# Altium PCB waffling80-MXHS.PcbDoc (part 1 of 4) (continued)
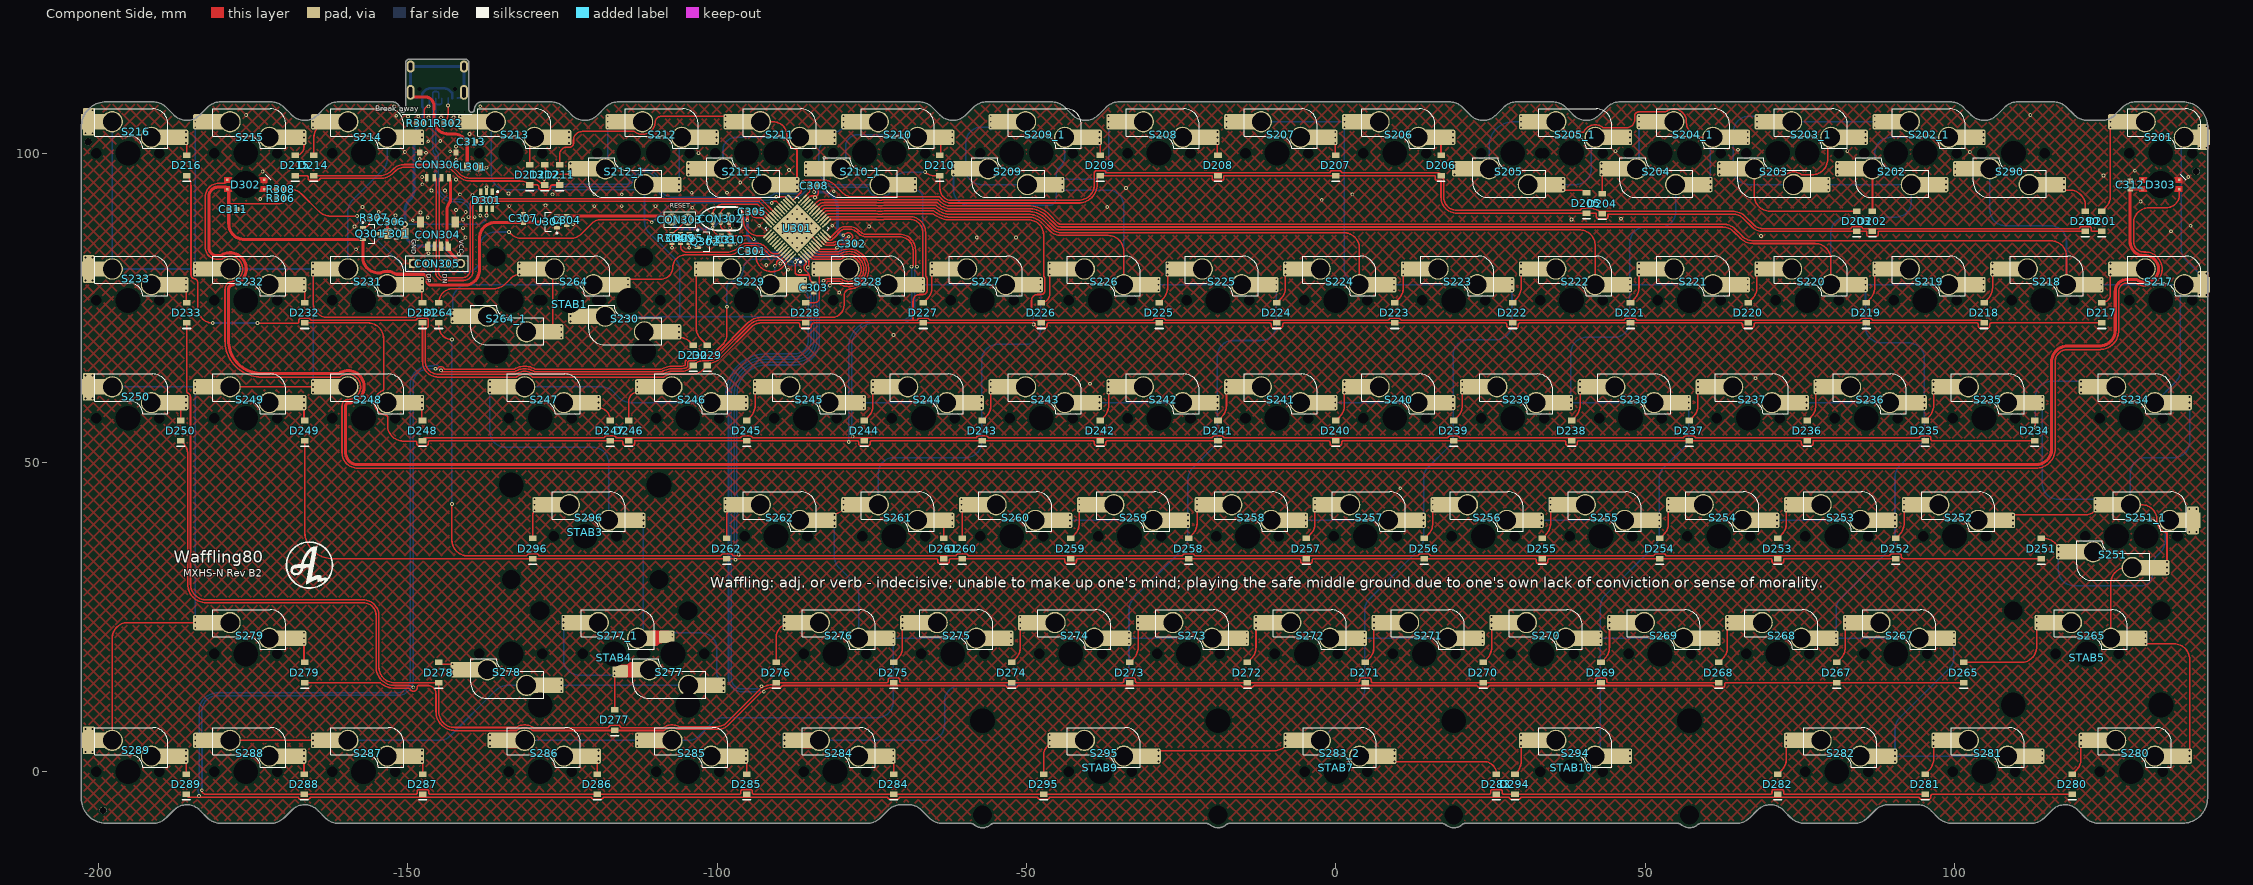
[diagram p0: Component Side view]
## Components (designator, comment, footprint, x,y, rotation, side; value= is the part's Value field where it differs from the comment) (continued)
S215 "MX" "MXHS-switch - 1U Top layer - AS2"#3 -176.213,100.012 r180 top
S216 "MX" "MXHS-switch - 1U Top layer - AS2 - S4"#1 -195.262,100.012 r180 top
S217 "MX" "MXHS-SWITCH - 1U TOP LAYER - AS2 - S3"#2 133.35,76.199 r180 top
S218 "MX" "MXHS-switch - 1U Top layer - switched pol AS2"#2 114.3,76.199 r180 top locked
S219 "MX" "MXHS-switch - 1U Top layer - switched pol AS2"#2 95.25,76.199 r180 top locked
S220 "MX" "MXHS-switch - 1U Top layer - switched pol AS2"#2 76.2,76.199 r180 top locked
S221 "MX" "MXHS-switch - 1U Top layer - switched pol AS2"#2 57.15,76.199 r180 top locked
S222 "MX" "MXHS-switch - 1U Top layer - switched pol AS2"#2 38.1,76.199 r180 top locked
S223 "MX" "MXHS-switch - 1U Top layer - switched pol AS2"#2 19.05,76.199 r180 top locked
S224 "MX" "MXHS-switch - 1U Top layer - switched pol AS2"#2 0,76.199 r180 top locked
S225 "MX" "MXHS-switch - 1U Top layer - switched pol AS2"#2 -19.05,76.199 r180 top locked
S226 "MX" "MXHS-switch - 1U Top layer - switched pol AS2"#2 -38.1,76.199 r180 top locked
S227 "MX" "MXHS-switch - 1U Top layer - switched pol AS2"#2 -57.15,76.199 r180 top locked
S228 "MX" "MXHS-switch - 1U Top layer - switched pol AS2"#2 -76.2,76.199 r180 top locked
S229 "MX" "MXHS-switch - 1U Top layer - switched pol AS2"#2 -95.25,76.199 r180 top locked
S230 "MX" "MXHS-switch - 1U Top layer - switched pol AS2"#2 -114.3,76.199 r0 top locked
S231 "MX" "MXHS-switch - 1U Top layer - AS2"#2 -157.162,76.199 r180 top locked
S232 "MX" "MXHS-switch - 1U Top layer - AS2"#2 -176.213,76.199 r180 top locked
S233 "MX" "MXHS-switch - 1U Top layer - AS2 - S4"#2 -195.262,76.199 r180 top
S234 "MX" "MXHS-switch - 1U Top layer - switched pol AS2"#2 128.587,57.149 r180 top locked
S235 "MX" "MXHS-switch - 1U Top layer - switched pol AS2"#2 104.775,57.149 r180 top locked
S236 "MX" "MXHS-switch - 1U Top layer - switched pol AS2"#2 85.725,57.149 r180 top locked
S237 "MX" "MXHS-switch - 1U Top layer - switched pol AS2"#2 66.675,57.149 r180 top locked
S238 "MX" "MXHS-switch - 1U Top layer - switched pol AS2"#2 47.625,57.149 r180 top locked
S239 "MX" "MXHS-switch - 1U Top layer - switched pol AS2"#2 28.575,57.149 r180 top locked
S240 "MX" "MXHS-switch - 1U Top layer - switched pol AS2"#2 9.525,57.149 r180 top locked
S241 "MX" "MXHS-switch - 1U Top layer - switched pol AS2"#2 -9.525,57.149 r180 top locked
S242 "MX" "MXHS-switch - 1U Top layer - switched pol AS2"#2 -28.575,57.149 r180 top locked
S243 "MX" "MXHS-switch - 1U Top layer - switched pol AS2"#2 -47.625,57.149 r180 top
S244 "MX" "MXHS-switch - 1U Top layer - switched pol AS2"#2 -66.675,57.149 r180 top locked
S245 "MX" "MXHS-switch - 1U Top layer - switched pol AS2"#2 -85.725,57.149 r180 top locked
S246 "MX" "MXHS-switch - 1U Top layer - switched pol AS2"#2 -104.775,57.149 r180 top locked
S247 "MX" "MXHS-switch - 1U Top layer - AS2"#2 -128.588,57.149 r180 top locked
S248 "MX" "MXHS-switch - 1U Top layer - AS2"#2 -157.162,57.149 r180 top locked
S249 "MX" "MXHS-switch - 1U Top layer - AS2"#2 -176.213,57.149 r180 top locked
S250 "MX" "MXHS-switch - 1U Top layer - AS2 - S4"#2 -195.262,57.149 r180 top
S251 "MX" "MXHS-switch - 1U Top layer - switched pol AS2"#1 126.206,38.099 r0 top locked
S251_1 "MX" "MXHS-switch - 1U Top layer - AS2 - S1" 130.969,38.099 r180 top locked
S252 "MX" "MXHS-switch - 1U Top layer - switched pol AS2"#2 100.013,38.099 r180 top locked
S253 "MX" "MXHS-switch - 1U Top layer - switched pol AS2"#2 80.962,38.099 r180 top locked
S254 "MX" "MXHS-switch - 1U Top layer - switched pol AS2"#2 61.912,38.099 r180 top locked
S255 "MX" "MXHS-switch - 1U Top layer - switched pol AS2"#2 42.862,38.099 r180 top locked
S256 "MX" "MXHS-switch - 1U Top layer - switched pol AS2"#2 23.812,38.099 r180 top locked
S257 "MX" "MXHS-switch - 1U Top layer - switched pol AS2"#2 4.763,38.099 r180 top locked
S258 "MX" "MXHS-switch - 1U Top layer - switched pol AS2"#2 -14.287,38.099 r180 top locked
S259 "MX" "MXHS-switch - 1U Top layer - switched pol AS2"#2 -33.337,38.099 r180 top locked
S260 "MX" "MXHS-switch - 1U Top layer - switched pol AS2"#2 -52.387,38.099 r180 top locked
S261 "MX" "MXHS-switch - 1U Top layer - AS2"#2 -71.438,38.099 r180 top locked
S262 "MX" "MXHS-switch - 1U Top layer - switched pol AS2"#2 -90.487,38.099 r180 top locked
S264 "MX" "MXHS-switch - 1U Top layer - switched pol AS2"#2 -123.825,76.199 r180 top locked
S264_1 "MX" "MXHS-switch - 1U Top layer - switched pol AS2"#2 -133.35,76.199 r0 top locked
S265 "MX" "MXHS-switch - 1U Top layer - AS2"#2 121.444,19.049 r180 top
S267 "MX" "MXHS-switch - 1U Top layer - switched pol AS2"#2 90.487,19.049 r180 top locked
S268 "MX" "MXHS-switch - 1U Top layer - switched pol AS2"#2 71.438,19.049 r180 top locked
S269 "MX" "MXHS-switch - 1U Top layer - switched pol AS2"#2 52.387,19.049 r180 top locked
S270 "MX" "MXHS-switch - 1U Top layer - switched pol AS2"#2 33.337,19.049 r180 top locked
S271 "MX" "MXHS-switch - 1U Top layer - switched pol AS2"#2 14.287,19.049 r180 top locked
S272 "MX" "MXHS-switch - 1U Top layer - switched pol AS2"#2 -4.763,19.049 r180 top locked
S273 "MX" "MXHS-switch - 1U Top layer - switched pol AS2"#2 -23.812,19.049 r180 top locked
S274 "MX" "MXHS-switch - 1U Top layer - switched pol AS2"#2 -42.862,19.049 r180 top locked
S275 "MX" "MXHS-switch - 1U Top layer - switched pol AS2"#2 -61.912,19.049 r180 top locked
S276 "MX" "MXHS-switch - 1U Top layer - switched pol AS2"#2 -80.962,19.049 r180 top locked
S277 "MX" "MXHS-switch - 1U Top layer - AS2 - S2" -107.156,19.049 r0 top
S277_1 "MX" "MXHS-switch - 1U Top layer - AS2 - S2" -116.682,19.05 r180 top
S278 "MX" "MXHS-switch - 1U Top layer - AS2"#2 -133.35,19.049 r0 top locked
S279 "MX" "MXHS-switch - 1U Top layer - AS2"#2 -176.213,19.049 r180 top locked
S280 "MX" "MXHS-switch - 1U Top layer - switched pol AS2"#2 128.587,-0.001 r180 top locked
S281 "MX" "MXHS-switch - 1U Top layer - switched pol AS2"#2 104.775,-0.001 r180 top locked
S282 "MX" "MXHS-switch - 1U Top layer - switched pol AS2"#2 80.963,-0.001 r180 top locked
S283_2 "MX" "MXHS-switch - 1U Top layer - switched pol AS2"#2 0.032,-0.001 r180 top locked
S284 "MX" "MXHS-switch - 1U Top layer - switched pol AS2"#2 -80.963,-0.001 r180 top locked
S285 "MX" "MXHS-switch - 1U Top layer - switched pol AS2"#2 -104.775,-0.001 r180 top locked
S286 "MX" "MXHS-switch - 1U Top layer - switched pol AS2"#2 -128.588,-0.001 r180 top locked
S287 "MX" "MXHS-switch - 1U Top layer - AS2"#2 -157.162,-0.001 r180 top locked
S288 "MX" "MXHS-switch - 1U Top layer - AS2"#2 -176.213,-0.001 r180 top locked
S289 "MX" "MXHS-switch - 1U Top layer - AS2 - S4"#2 -195.262,-0.001 r180 top
S290 "MX" "MXHS-switch - 1U Top layer - switched pol AS2"#2 109.538,100.012 r0 top
S294 "MX" "MXHS-switch - 1U Top layer - switched pol AS2"#2 38.1,-0.001 r180 top locked
S295 "MX" "MXHS-switch - 1U Top layer - AS2"#2 -38.1,-0.001 r180 top locked
S296 "MX" "MXHS-switch - 1U Top layer - switched pol AS2"#2 -121.361,38.099 r180 top locked
STAB1 "Plug" "Stab 2u" -123.826,76.2 r0 top locked
STAB3 "Plug" "Stab 2u" -121.362,38.1 r180 top locked
STAB4 "Plug" "Stab 2u" -116.682,19.05 r0 top locked
STAB5 "Plug" "Stab 2u" 121.443,19.05 r0 top locked
STAB7 "Plug" "Stab 7U" 0.032,0 r180 top locked
STAB9 "Plug" "Stab 3u" -38.1,0 r180 top locked
STAB10 "Plug" "Stab 3u" 38.1,0 r180 top locked
U301 "STM32F072/F303_LQFP48" "STM32 - COMBO 7X7MM" -87.095,87.831 r45 top
U304 "XC6206P332MR" SOT-23-3 -127.119,88.9 r0 top

## Footprints (in the part's own frame and the unit in brackets; to place one, negate y for a bottom-side part, rotate by r counter-clockwise, add the part's x,y. Pads: shape width x height; smd on the part's side, far side on the other; paste and mask are expansions set on the pad)
C0603[1608] [mm] "Chip Resistor, 2-Leads, Body 1,57x0,80mm, IPC Medium Density"
  rect 0.8x0.85 smd: 1(-0.65,0) 2(0.65,0)
  body extent -0.83,-0.43 0.82,0.43, height 0.5
C1206[3216] [mm]
  rect 1.2x1.8 smd: 1(-1.35,0) 2(1.35,0)
  silkscreen extent -0.35,-0.8 0.35,0.8, body extent -1.6,-0.9 1.6,0.9, height 1.2
HDR1X2 [mm] "Connector; Header; 2 Position"
  round 2 hole 0.9 mask+0.102: 1(0,0) 2(2.54,0)
  silkscreen extent -1.27,-1.27 3.81,1.27
HDR1X4 [mm] "Connector; Header; 4 Position"
  round 1.5 hole 0.9 mask+0.102: 1(0,0) 2(2.54,0) 3(5.08,0)
  rect 1.5x1.5 hole 0.9 mask+0.102: 4(7.62,0)
  silkscreen extent -1.27,-1.27 8.89,1.27
L0805 [mm] "based on Sunlord-GZ2012D101TF_C1015 datasheet"
  rect 1.16x1.47 smd: 1(-0.92,0) 2(0.92,0)
  body extent -1.15,-0.72 1.15,0.72, height 1.02
"Molex 781710004" [mm]
  rect 0.6x1.2 smd: 1(-1.8,2.2) 2(-0.6,2.2) 3(0.6,2.2) 4(1.8,2.2)
  rect 0.85x1 smd: 5(-2.94,-1.887) 5(2.94,-1.887)
  body extent -3.3,-2.05 3.3,2.48, height 1.5
"MXHS-switch - 1U Top layer - AS2"#1 [mm]
  round 3.45 hole 3 mask+0: 1(2.54,-5.08) 2(-3.81,-2.54)
  rect 2.55x2.5 smd paste-40 mask+0.102: 1(4.318,-5.08) 2(-5.588,-2.54)
  rect 2.55x2.5 smd: 1(6.29,-5.08) 2(-7.56,-2.54)
  rrect25% 2.55x2.5 smd paste-40 mask+0.102: 1(7.25,-5.08) 2(-8.52,-2.54)
  round 0.6 hole 0.3 mask+0.102: 1(8.15,-5.08) 1(8.15,-4.191) 1(8.15,-5.969) 2(-9.42,-3.429) 2(-9.42,-2.54) 2(-9.42,-1.651)
  round 1 hole 1.7 unplated: ""(-5.08,0)
  round 1 hole 4 unplated: ""(0,0)
  silkscreen extent -6.48,-7.16 5.32,-0.76, body extent -7.9,-6.75 6.6,-0.85
"MXHS-switch - 1U Top layer - AS2"#2 [mm]
  round 3.45 hole 3 mask+0: 1(2.54,-5.08) 2(-3.81,-2.54)
  rect 2.55x2.5 smd paste-40 mask+0.102: 1(4.318,-5.08) 2(-5.588,-2.54)
  rect 2.55x2.5 smd: 1(6.29,-5.08) 2(-7.56,-2.54)
  rrect25% 2.55x2.5 smd paste-40 mask+0.102: 1(7.25,-5.08) 2(-8.52,-2.54)
  round 0.6 hole 0.3 mask+0.102: 1(8.15,-5.08) 1(8.15,-4.191) 1(8.15,-5.969) 2(-9.42,-3.429) 2(-9.42,-2.54) 2(-9.42,-1.651)
  round 1 hole 1.7 unplated: ""(-5.08,0) ""(5.08,0)
  round 1 hole 4 unplated: ""(0,0)
  silkscreen extent -6.48,-7.16 5.32,-0.76, body extent -7.9,-6.75 6.6,-0.85
"MXHS-switch - 1U Top layer - AS2"#3 [mm]
  round 3.45 hole 3 mask+0: 1(2.54,-5.08) 2(-3.81,-2.54)
  rect 2.55x2.5 smd paste-40 mask+0.102: 1(4.318,-5.08) 2(-5.588,-2.54)
  rect 2.55x2.5 smd: 1(6.29,-5.08) 2(-7.56,-2.54)
  rrect25% 2.55x2.5 smd paste-40 mask+0.102: 1(7.25,-5.08) 2(-8.52,-2.54)
  round 0.6 hole 0.3 mask+0.102: 1(8.15,-5.08) 1(8.15,-4.191) 2(-9.42,-3.429) 2(-9.42,-2.54) 2(-9.42,-1.651)
  round 1 hole 1.7 unplated: ""(-5.08,0) ""(5.08,0)
  round 1 hole 4 unplated: ""(0,0)
  silkscreen extent -6.48,-7.16 5.32,-0.76, body extent -7.9,-6.75 6.6,-0.85
"MXHS-switch - 1U Top layer - AS2 - S1" [mm]
  round 3.45 hole 3 mask+0: 1(2.54,-5.08) 2(-3.81,-2.54)
  rect 2.55x2.5 smd paste-40 mask+0.102: 1(4.318,-5.08) 2(-5.588,-2.54)
  rect 2.55x2.5 smd: 1(6.29,-5.08) 2(-7.56,-2.54)
  rrect25% 2.55x2.5 smd paste-40 mask+0.102: 1(7.25,-5.08)
  round 0.6 hole 0.3 mask+0.102: 1(8.15,-5.08) 1(8.15,-4.191) 1(8.15,-5.969) 2(-8.149,-4.4) 2(-8.149,-0.68) 2(-6.971,-4.4) 2(-6.971,-0.68)
  rrect25% 2x2.55 smd paste-40 mask+0.102: 2(-7.56,-3.5) 2(-7.56,-1.58)
  round 1 hole 1.7 unplated: ""(-5.08,0)
  round 1 hole 4 unplated: ""(0,0)
  silkscreen extent -6.48,-7.16 5.32,-0.76, body extent -7.9,-6.75 6.6,-0.85
"MXHS-switch - 1U Top layer - AS2 - S2" [mm] "Adjusted footprint to prevent conflict with tray mount mounting hole"
  round 3.45 hole 3 mask+0: 1(2.54,-5.08) 2(-3.81,-2.54)
  rect 2.55x2.5 smd paste-40 mask+0.102: 1(4.318,-5.08)
  rect 2.55x2.5 smd: 1(6.29,-5.08)
  rrect25% 2.55x2.5 smd paste-40 mask+0.102: 1(7.25,-5.08)
  round 0.6 hole 0.3 mask+0.102: 1(8.15,-5.969) 1(8.15,-5.08) 1(8.15,-4.191) 2(-9.42,-3.429) 2(-9.42,-2.795)
  rrect25% 2.55x2 smd paste-40 mask+0.102: 2(-8.52,-2.78)
  rect 2.3x2.492 smd paste-40 mask+0.102: 2(-5.588,-2.54)
  round 1 hole 1.7 unplated: ""(-5.08,0) ""(5.08,0)
  round 1 hole 4 unplated: ""(0,0)
  Component Side region: -6.121,-1.295 -6.121,-3.785 -8.839,-3.785 -8.839,-1.905 -8.83,-1.856 -8.802,-1.815 -8.761,-1.788 -8.712,-1.778 -8.712,-1.778 -7.891,-1.778 -7.476,-1.696 -7.125,-1.46 -7.125,-1.46 -6.942,-1.338 -6.726,-1.295 -6.726,-1.295
  silkscreen extent -6.48,-7.16 5.32,-0.76, body extent -7.9,-6.75 6.6,-0.85
"MXHS-SWITCH - 1U TOP LAYER - AS2 - S3"#1 [mm]
  round 3.45 hole 3 mask+0: 1(2.54,-5.08) 2(-3.81,-2.54)
  rect 2.55x2.5 smd paste-40 mask+0.102: 1(4.318,-5.08) 2(-5.588,-2.54)
  rect 2.55x2.5 smd: 1(6.29,-5.08)
  rrect25% 2.55x2.5 smd paste-40 mask+0.102: 1(7.25,-5.08)
  round 0.6 hole 0.3 mask+0.102: 1(8.15,-5.08) 1(8.15,-4.191) 2(-7.412,-4.349) 2(-7.412,-0.858) 2(-6.25,-0.858) 2(-6.234,-4.349)
  rrect25% 1.75x2.55 smd paste-40 mask+0.102: 2(-6.823,-3.449) 2(-6.823,-1.758)
  rect 2.3x2.5 smd: 2(-6.8,-2.54)
  round 1 hole 1.7 unplated: ""(-5.08,0) ""(5.08,0)
  round 1 hole 4 unplated: ""(0,0)
  silkscreen extent -6.48,-7.16 5.32,-0.76, body extent -7.9,-6.75 6.6,-0.85
"MXHS-SWITCH - 1U TOP LAYER - AS2 - S3"#2 [mm]
  round 3.45 hole 3 mask+0: 1(2.54,-5.08) 2(-3.81,-2.54)
  rect 2.55x2.5 smd paste-40 mask+0.102: 1(4.318,-5.08) 2(-5.588,-2.54)
  rect 2.55x2.5 smd: 1(6.29,-5.08)
  rrect25% 2.55x2.5 smd paste-40 mask+0.102: 1(7.25,-5.08)
  round 0.6 hole 0.3 mask+0.102: 1(8.15,-5.08) 1(8.15,-4.191) 1(8.15,-5.969) 2(-7.412,-4.349) 2(-7.412,-0.858) 2(-6.25,-0.858) 2(-6.234,-4.349)
  rrect25% 1.75x2.55 smd paste-40 mask+0.102: 2(-6.823,-3.449) 2(-6.823,-1.758)
  rect 2.3x2.5 smd: 2(-6.8,-2.54)
  round 1 hole 1.7 unplated: ""(-5.08,0) ""(5.08,0)
  round 1 hole 4 unplated: ""(0,0)
  silkscreen extent -6.48,-7.16 5.32,-0.76, body extent -7.9,-6.75 6.6,-0.85
"MXHS-switch - 1U Top layer - AS2 - S4"#1 [mm]
  round 3.45 hole 3 mask+0: 1(2.54,-5.08) 2(-3.81,-2.54)
  rect 2.55x2.5 smd paste-40 mask+0.102: 1(4.318,-5.08) 2(-5.588,-2.54)
  round 0.6 hole 0.3 mask+0.102: 1(5.701,-6.94) 1(5.701,-3.22) 1(6.879,-3.22) 2(-9.42,-3.429) 2(-9.42,-2.54) 2(-9.42,-1.651)
  rrect25% 2x2.55 smd paste-40 mask+0.102: 1(6.29,-6.04) 1(6.29,-4.12)
  rect 2.55x2.5 smd: 1(6.29,-5.08) 2(-7.56,-2.54)
  rrect25% 2.55x2.5 smd paste-40 mask+0.102: 2(-8.52,-2.54)
  round 1 hole 1.7 unplated: ""(-5.08,0) ""(5.08,0)
  round 1 hole 4 unplated: ""(0,0)
  silkscreen extent -6.48,-7.16 5.32,-0.76, body extent -7.9,-6.75 6.6,-0.85
"MXHS-switch - 1U Top layer - AS2 - S4"#2 [mm]
  round 3.45 hole 3 mask+0: 1(2.54,-5.08) 2(-3.81,-2.54)
  rect 2.55x2.5 smd paste-40 mask+0.102: 1(4.318,-5.08) 2(-5.588,-2.54)
  round 0.6 hole 0.3 mask+0.102: 1(5.701,-6.94) 1(5.701,-3.22) 1(6.879,-3.22) 1(6.879,-6.94) 2(-9.42,-3.429) 2(-9.42,-2.54) 2(-9.42,-1.651)
  rrect25% 2x2.55 smd paste-40 mask+0.102: 1(6.29,-6.04) 1(6.29,-4.12)
  rect 2.55x2.5 smd: 1(6.29,-5.08) 2(-7.56,-2.54)
  rrect25% 2.55x2.5 smd paste-40 mask+0.102: 2(-8.52,-2.54)
  round 1 hole 1.7 unplated: ""(-5.08,0) ""(5.08,0)
  round 1 hole 4 unplated: ""(0,0)
  silkscreen extent -6.48,-7.16 5.32,-0.76, body extent -7.9,-6.75 6.6,-0.85
"MXHS-switch - 1U Top layer - switched pol AS2"#1 [mm]
  round 0.6 hole 0.3 mask+0.102: 1(-9.42,-3.429) 1(-9.42,-2.54) 1(-9.42,-1.651) 2(8.15,-5.969) 2(8.15,-5.08) 2(8.15,-4.191)
  rrect25% 2.55x2.5 smd paste-40 mask+0.102: 1(-8.52,-2.54) 2(7.25,-5.08)
  rect 2.55x2.5 smd: 1(-7.56,-2.54) 2(6.29,-5.08)
  rect 2.55x2.5 smd paste-40 mask+0.102: 1(-5.588,-2.54) 2(4.318,-5.08)
  round 3.45 hole 3 mask+0: 1(-3.81,-2.54) 2(2.54,-5.08)
  round 1 hole 1.7 unplated: ""(-5.08,0)
  round 1 hole 4 unplated: ""(0,0)
  silkscreen extent -6.48,-7.16 5.32,-0.76, body extent -7.9,-6.75 6.6,-0.85
"MXHS-switch - 1U Top layer - switched pol AS2"#2 [mm]
  round 0.6 hole 0.3 mask+0.102: 1(-9.42,-3.429) 1(-9.42,-2.54) 1(-9.42,-1.651) 2(8.15,-5.969) 2(8.15,-5.08) 2(8.15,-4.191)
  rrect25% 2.55x2.5 smd paste-40 mask+0.102: 1(-8.52,-2.54) 2(7.25,-5.08)
  rect 2.55x2.5 smd: 1(-7.56,-2.54) 2(6.29,-5.08)
  rect 2.55x2.5 smd paste-40 mask+0.102: 1(-5.588,-2.54) 2(4.318,-5.08)
  round 3.45 hole 3 mask+0: 1(-3.81,-2.54) 2(2.54,-5.08)
  round 1 hole 1.7 unplated: ""(-5.08,0) ""(5.08,0)
  round 1 hole 4 unplated: ""(0,0)
  silkscreen extent -6.48,-7.16 5.32,-0.76, body extent -7.9,-6.75 6.6,-0.85
"MXHS-switch - 1U Top layer - switched pol AS2"#3 [mm]
  round 0.6 hole 0.3 mask+0.102: 1(-9.42,-3.429) 1(-9.42,-2.54) 1(-9.42,-1.651) 2(8.15,-5.08) 2(8.15,-4.191)
  rrect25% 2.55x2.5 smd paste-40 mask+0.102: 1(-8.52,-2.54) 2(7.25,-5.08)
  rect 2.55x2.5 smd: 1(-7.56,-2.54) 2(6.29,-5.08)
  rect 2.55x2.5 smd paste-40 mask+0.102: 1(-5.588,-2.54) 2(4.318,-5.08)
  round 3.45 hole 3 mask+0: 1(-3.81,-2.54) 2(2.54,-5.08)
  round 1 hole 1.7 unplated: ""(-5.08,0) ""(5.08,0)
  round 1 hole 4 unplated: ""(0,0)
  silkscreen extent -6.48,-7.16 5.32,-0.76, body extent -7.9,-6.75 6.6,-0.85
R0603[1608] [mm] "Chip Resistor, 2-Leads, Body 1,57x0,80mm, IPC Medium Density"
  rect 0.8x0.85 smd: 1(-0.65,0) 2(0.65,0)
  body extent -0.83,-0.43 0.82,0.43, height 0.5
"SK6812MINI-E - shaped" [mm]
  rect 0.4x0.4 smd: 1(3,0.75) 2(3,-0.75) 3(-3,-0.75) 4(-3,0.75)
  round 1 hole 4.4 unplated: ""(0,0)
  Component Side region: -3.25,-1.195 -3.5,-0.945 -3.5,-0.304 -2.449,-0.304 -2.447,-0.304 -2.345,-0.764 -2.157,-1.195 -2.157,-1.195
  Component Side region: 2.157,-1.195 3.5,-1.195 3.5,-0.304 2.449,-0.304 2.447,-0.304 2.345,-0.764 2.157,-1.195
  Component Side region: 2.447,0.304 2.345,0.764 2.157,1.195 2.157,1.195 3.5,1.195 3.5,0.304
  Component Side region: -3.5,0.304 -3.5,1.195 -2.157,1.195 -2.345,0.764 -2.447,0.304 -2.447,0.304 -2.449,0.304
  silkscreen extent -4.06,-1.65 -3.17,-0.76, body extent -2.94,-1.4 2.94,1.4, height 0.94
SOD-123 [mm]
  rect 0.91x1.22 smd: 1(1.635,0) 2(-1.635,0)
  silkscreen extent -2.54,-0.64 -2.54,0.63, body extent -1.87,-0.85 1.88,0.85, height 1.2
SOT-23-3 [mm] "3.3v regulator, used in Windsond S2 proto 1"
  rect 1x0.55 smd: 1(1.2,-0.95) 2(1.2,0.95) 3(-1.2,0)
  silkscreen extent -0.7,-1.95 1.32,1.55, body extent -1.1,-1.5 1.45,1.5, height 1
SOT-23-6 [mm]
  rect 1x0.55 smd: 1(1.375,-0.95) 2(1.375,0) 3(1.375,0.95) 4(-1.375,0.95) 5(-1.375,0) 6(-1.375,-0.95)
  silkscreen extent -0.46,-1.93 1.5,1.55, body extent -1.47,-1.49 1.37,1.44, height 1.05
"Stab 2u" [mil]
  round 60 hole 157.01 unplated: ""(-470,-325) ""(470,-325)
  round 60 hole 120 unplated: ""(-470,275) ""(470,275)
  round 39.37 on Mech13: ""(0,0) ""(0,0)
"Stab 3u" [mil]
  round 60 hole 157.01 unplated: ""(-750,-325) ""(750,-325)
  round 60 hole 120 unplated: ""(-750,275) ""(750,275)
  round 39.37 on Mech13: ""(0,0) ""(0,0)
"Stab 7U" [mil]
  round 60 hole 157.01 unplated: ""(-2250,-325) ""(2250,-325)
  round 60 hole 120 unplated: ""(-2250,275) ""(2250,275)
  round 39.37 on Mech13: ""(0,0)
"STM32 - COMBO 7X7MM" [mm] "LQFP48, 7x7mm"
  oval 0.3x1.45 smd paste-5: 1(-2.75,-4.225) 2(-2.25,-4.225) 3(-1.75,-4.225) 4(-1.25,-4.225) 5(-0.75,-4.225) 6(-0.25,-4.225) 7(0.25,-4.225) 8(0.75,-4.225) 9(1.25,-4.225) 10(1.75,-4.225) 11(2.25,-4.225) 12(2.75,-4.225) 25(2.75,4.225) 26(2.25,4.225) 27(1.75,4.225) 28(1.25,4.225) 29(0.75,4.225) 30(0.25,4.225) 31(-0.25,4.225) 32(-0.75,4.225) 33(-1.25,4.225) 34(-1.75,4.225) 35(-2.25,4.225) 36(-2.75,4.225)
  oval 0.25x0.8 smd: 1(-2.75,-3.4) 2(-2.25,-3.4) 3(-1.75,-3.4) 4(-1.25,-3.4) 5(-0.75,-3.4) 6(-0.25,-3.4) 7(0.25,-3.4) 8(0.75,-3.4) 9(1.25,-3.4) 10(1.75,-3.4) 11(2.25,-3.4) 12(2.75,-3.4) 25(2.75,3.4) 26(2.25,3.4) 27(1.75,3.4) 28(1.25,3.4) 29(0.75,3.4) 30(0.25,3.4) 31(-0.25,3.4) 32(-0.75,3.4) 33(-1.25,3.4) 34(-1.75,3.4) 35(-2.25,3.4) 36(-2.75,3.4)
  oval 0.8x0.25 smd: 13(3.4,-2.75) 14(3.4,-2.25) 15(3.4,-1.75) 16(3.4,-1.25) 17(3.4,-0.75) 18(3.4,-0.25) 19(3.4,0.25) 20(3.4,0.75) 21(3.4,1.25) 22(3.4,1.75) 23(3.4,2.25) 24(3.4,2.75) 37(-3.4,2.75) 38(-3.4,2.25) 39(-3.4,1.75) 40(-3.4,1.25) 41(-3.4,0.75) 42(-3.4,0.25) 43(-3.4,-0.25) 44(-3.4,-0.75) 45(-3.4,-1.25) 46(-3.4,-1.75) 47(-3.4,-2.25) 48(-3.4,-2.75)
  oval 1.45x0.3 smd paste-5: 13(4.225,-2.75) 14(4.225,-2.25) 15(4.225,-1.75) 16(4.225,-1.25) 17(4.225,-0.75) 18(4.225,-0.25) 19(4.225,0.25) 20(4.225,0.75) 21(4.225,1.25) 22(4.225,1.75) 23(4.225,2.25) 24(4.225,2.75) 37(-4.225,2.75) 38(-4.225,2.25) 39(-4.225,1.75) 40(-4.225,1.25) 41(-4.225,0.75) 42(-4.225,0.25) 43(-4.225,-0.25) 44(-4.225,-0.75) 45(-4.225,-1.25) 46(-4.225,-1.75) 47(-4.225,-2.25) 48(-4.225,-2.75)
  rect 5.6x5.6 smd: 47(0,0)
  silkscreen extent -3.65,-4.35 3.65,3.65, body extent -3.52,-3.52 3.52,3.52, height 0.5
TC2030-IDC-NL [mm] "Tag-Connect 6-Pin with No Legs (PN# TC2030-IDC-NL)"
  round 0.9 hole 0.995 unplated: 0(-2.54,0) 0(2.54,-1.016) 0(2.54,1.016)
  round 0.79 smd paste-0.39: 1(-1.27,-0.635) 2(-1.27,0.635) 3(0,-0.635) 4(0,0.635) 5(1.35,-0.635) 6(1.27,0.635)
  silkscreen extent -3.43,-1.91 3.43,1.9
TYPE-C-31-M-12 [mm]
  rect 0.6x1.45 smd: A1B12(-3.25,0) A4B9(-2.45,0) B1A12(3.25,0) B4A9(2.45,0)
  rect 0.3x1.45 smd: A5(-1.25,0) A6(-0.25,0) A7(0.25,0) A8(1.25,0) B5(1.75,0) B6(0.75,0) B7(-0.75,0) B8(-1.75,0)
  oval 1x1.6 / inner oval 1x1.6 / far side oval 1.3x2 hole 0.6 slot 1.2 at 90 deg: S1(-4.32,-5.095) S1(4.32,-5.095)
  oval 1x2.1 / inner oval 1x2.1 / far side oval 1.3x2.4 hole 0.6 slot 1.7 at 90 deg: S1(-4.32,-0.915) S1(4.32,-0.915)
  round 0 hole 0.65 unplated: ""(-2.89,-1.445) ""(2.89,-1.445)
  body extent -4.48,-7.72 4.46,0.18, height 3.21
UDB_combo_JST_MOLEX [mm]
  rect 0.6x1.2 smd: 1(-1.8,2.2) 2(-0.6,2.2) 3(0.6,2.2) 4(1.8,2.2)
  rect 0.6x1.55 smd: 1(-1.5,2.021) 2(-0.5,2.021) 3(0.5,2.021) 4(1.5,2.021)
  rect 0.85x1 smd: 5(-2.94,-1.887) 5(2.94,-1.887)
  rect 1.2x1.8 smd: 5(-2.8,-1.854) 5(2.8,-1.854)
  body extent -3.01,-2.62 2.99,2.33, height 2.96

## Part data
C301 C302 C303 C304 C305 C308 C311 C312 C313: library part Cap, "Capacitor", LCSC MFG=YAGEO, LCSC Part #=C14663, MRF.Part=CC0603KRX7R9BB104, Version="0603 imperial"
C306 C309: library part Cap, "Capacitor", LCSC MFG="Samsung Electro-Mechanics", LCSC Part #=C19666, MRF.Part=CL10A475KO8NNNC, Version="0603 imperial"
C307: library part Cap, "Capacitor", LCSC MFG="Samsung Electro-Mechanics", LCSC Part #=C15849, MRF.Part=CL10A105KB8NNNC, Version="0603 imperial"
C310: library part Cap, "Capacitor", LCSC MFG="Samsung Electro-Mechanics", LCSC Part #=C1623, MRF.Part=CL10B474KA8NNNC, Version="0603 imperial"
CON301: LCSC MFG="Korean Hroparts Elec", LCSC Part #=C165948, MRF.Part=TYPE-C-31-M-12
CON302: library part "Header 3X2", "Header, 3-Pin, Dual row"
CON303: "Header, 2-Pin"
CON304: "JST for USB daughter board", LCSC MFG="JST Sales America", LCSC Part #=C160404, MRF.Part=SM04B-SRSS-TB(LF)(SN)
CON305: "Header, 4-Pin"
CON306: "JST for USB daughter board", LCSC MFG=MOLEX, LCSC Part #=C588524, MRF.Part=781710004
D201 D202 D203 D204 D205 D206 D207 D208 D209 D210 D211 D212 D213 D214 D215 D216 D217 D218 D219 D220 D221 D222 D223 D224 D225 D226 D227 D228 D229 D230 D231 D232 D233 D234 D235 D236 D237 D238 D239 D240 D241 D242 D243 D244 D245 D246 D247 D248 D249 D250 D251 D252 D253 D254 D255 D256 D257 D258 D259 D260 D261 D262 D264 D265 D267 D268 D269 D270 D271 D272 D273 D274 D275 D276 D277 D278 D279 D280 D281 D282 D283 D284 D285 D286 D287 D288 D289 D290 D294 D295 D296: "Default Diode", LCSC MFG=ST(Semtech), LCSC Part #=C81598, MRF.Part=1N4148W, Version=SOD-123
D301: LCSC MFG="ProTek Devices", LCSC Part #=C85364, MRF.Part=SRV05-4-P-T7
D302 D303: LCSC MFG=TONYU, LCSC Part #=C524051, MRF.Part=DY-S352818/RGBC/6812-2T
F301: "Thermal Fuse", LCSC MFG="Shenzhen JDT Fuse", LCSC Part #=C135338, MRF.Part=ASMD1206-050
L301: LCSC MFG=Sunlord, LCSC Part #=C1015, MRF.Part=GZ2012D101TF, Version="0806 imperial"
Q301: "P-Channel Power MOSFET", LCSC MFG="Vishay Intertech", LCSC Part #=C10487, MRF.Part=SI2301CDS-T1-GE3, Version=SOT23-3
Q302: library part MOSFET-N, "N-Channel MOSFET", LCSC MFG="Changjiang Electronics Tech (CJ)", LCSC Part #=C8545, MRF.Part=2N7002
R301 R302: "Resistor", LCSC MFG="Uniroyal Elec", LCSC Part #=C23186, MRF.Part=0603WAF5101T5E, Version="0603 imperial"
R303 R304 R306 R307: "Resistor", LCSC MFG="Uniroyal Elec", LCSC Part #=C25804, MRF.Part=0603WAF1002T5E, Version="0603 imperial"
R305: "Resistor", LCSC MFG="Uniroyal Elec", LCSC Part #=C25803, MRF.Part=0603WAF1003T5E, Version="0603 imperial"
R308: "Resistor", LCSC MFG="UNI-ROYAL(Uniroyal Elec)", LCSC Part #=C23179, MRF.Part=0603WAF4700T5E, Version="0603 imperial"
S201 S202 S202_1 S203 S203_1 S204 S204_1 S205 S205_1 S206 S207 S208 S209 S209_1 S210 S210_1 S211 S211_1 S212 S212_1 S213 S214 S215 S216 S217 S218 S219 S220 S221 S222 S223 S224 S225 S226 S227 S228 S229 S230 S231 S232 S233 S235 S236 S237 S238 S239 S240 S241 S242 S243 S244 S245 S246 S247 S248 S249 S250 S251 S251_1 S252 S253 S254 S255 S256 S257 S258 S259 S260 S261 S262 S264 S264_1 S265 S267 S268 S269 S270 S271 S272 S273 S274 S275 S276 S277 S277_1 S278 S279 S280 S281 S282 S283_2 S284 S285 S286 S287 S288 S289 S290 S294 S295 S296: library part SW-PB, "Switch", LCSC MFG=Kailh, LCSC Part #=C5156480, MRF.Part=CPG151101S11-16
S234: library part SW-PB, "TAB", LCSC MFG=Kailh, LCSC Part #=C5156480, MRF.Part=CPG151101S11-16
U301: LCSC MFG=Geehy, LCSC Part #=C915660, MRF.Part=APM32F072CBT6
U304: library part "SOT23 LDO", LCSC MFG="Torex Semicon", LCSC Part #=C5446, MRF.Part=XC6206P332MR

## Free pads (board coordinates)
  round 1.152 hole 1.152 unplated paste+0.148 mask+0.148: ""(-201.676,101.854) ""(-199.264,-6.223) ""(139.065,97.028)
  round 0 hole 0.3 unplated: ""(-150.506,106.7) ""(-149.617,106.7) ""(-148.728,106.7) ""(-148.06,106.7) ""(-146.696,106.7) ""(-144.918,106.7) ""(-144.029,106.7) ""(-142.632,106.7) ""(-141.743,106.7) ""(-140.854,106.7) ""(-139.965,106.7)

## Via types
v1: diameter 0.6, hole 0.3, Component Side to Bottom Layer, tented both sides, 158 vias
v2: diameter 0.6, hole 0.3, Component Side to Bottom Layer, tented bottom, 25 vias
v3: diameter 1, hole 0.5, Component Side to Bottom Layer, tented both sides, 1 vias

## Nets (pads, with @x,y where several pads share a name; then routed paths per layer and width w, separated by ;. In a path a pad name is that pad's centre, name@x,y a point inside that pad or via, vN(x,y) a via of type N, cw(c..) or ccw(c..) an arc to the next point about the centre after c; other vN are vias at no path point)
BOOT0: C309.1 CON303.1 R304.1 U301.44 | length 24.2
  Component Side w0.254: CON303.1@-104.775,89.281 R304.1@-107.315,86.883 C309.1@-105.918,85.583 -105.918,84.933 ccw(c-104.996,84.933) -105.774,84.438 ccw(c-104.996,84.933) -105.491,84.155 ccw(c-104.996,84.933) -104.996,84.01 -98.361,84.01 ccw(c-98.361,86.462) -96.627,84.729 -96.378,84.978 ; -96.378,84.978 -96.34,85.016 cw(c-95.244,83.924) -96.337,85.019 cw(c-95.244,83.924) -95.244,85.471 -93.818,85.471 cw(c-93.818,83.102) -92.144,84.778 cw(c-93.818,83.102) -92.142,84.776 cw(c-92.464,84.456) -92.128,84.762 ; -92.128,84.762 -91.376,84.01 ; -91.376,84.01 ccw(c-90.669,84.718) -90.669,83.718 -90.336,83.718 ccw(c-90.336,84.172) -90.084,83.794 ccw(c-90.336,84.172) -90.015,83.851 U301.44@-89.552,84.313